# Allegro board 8880F5-0825_4.brd (continued)
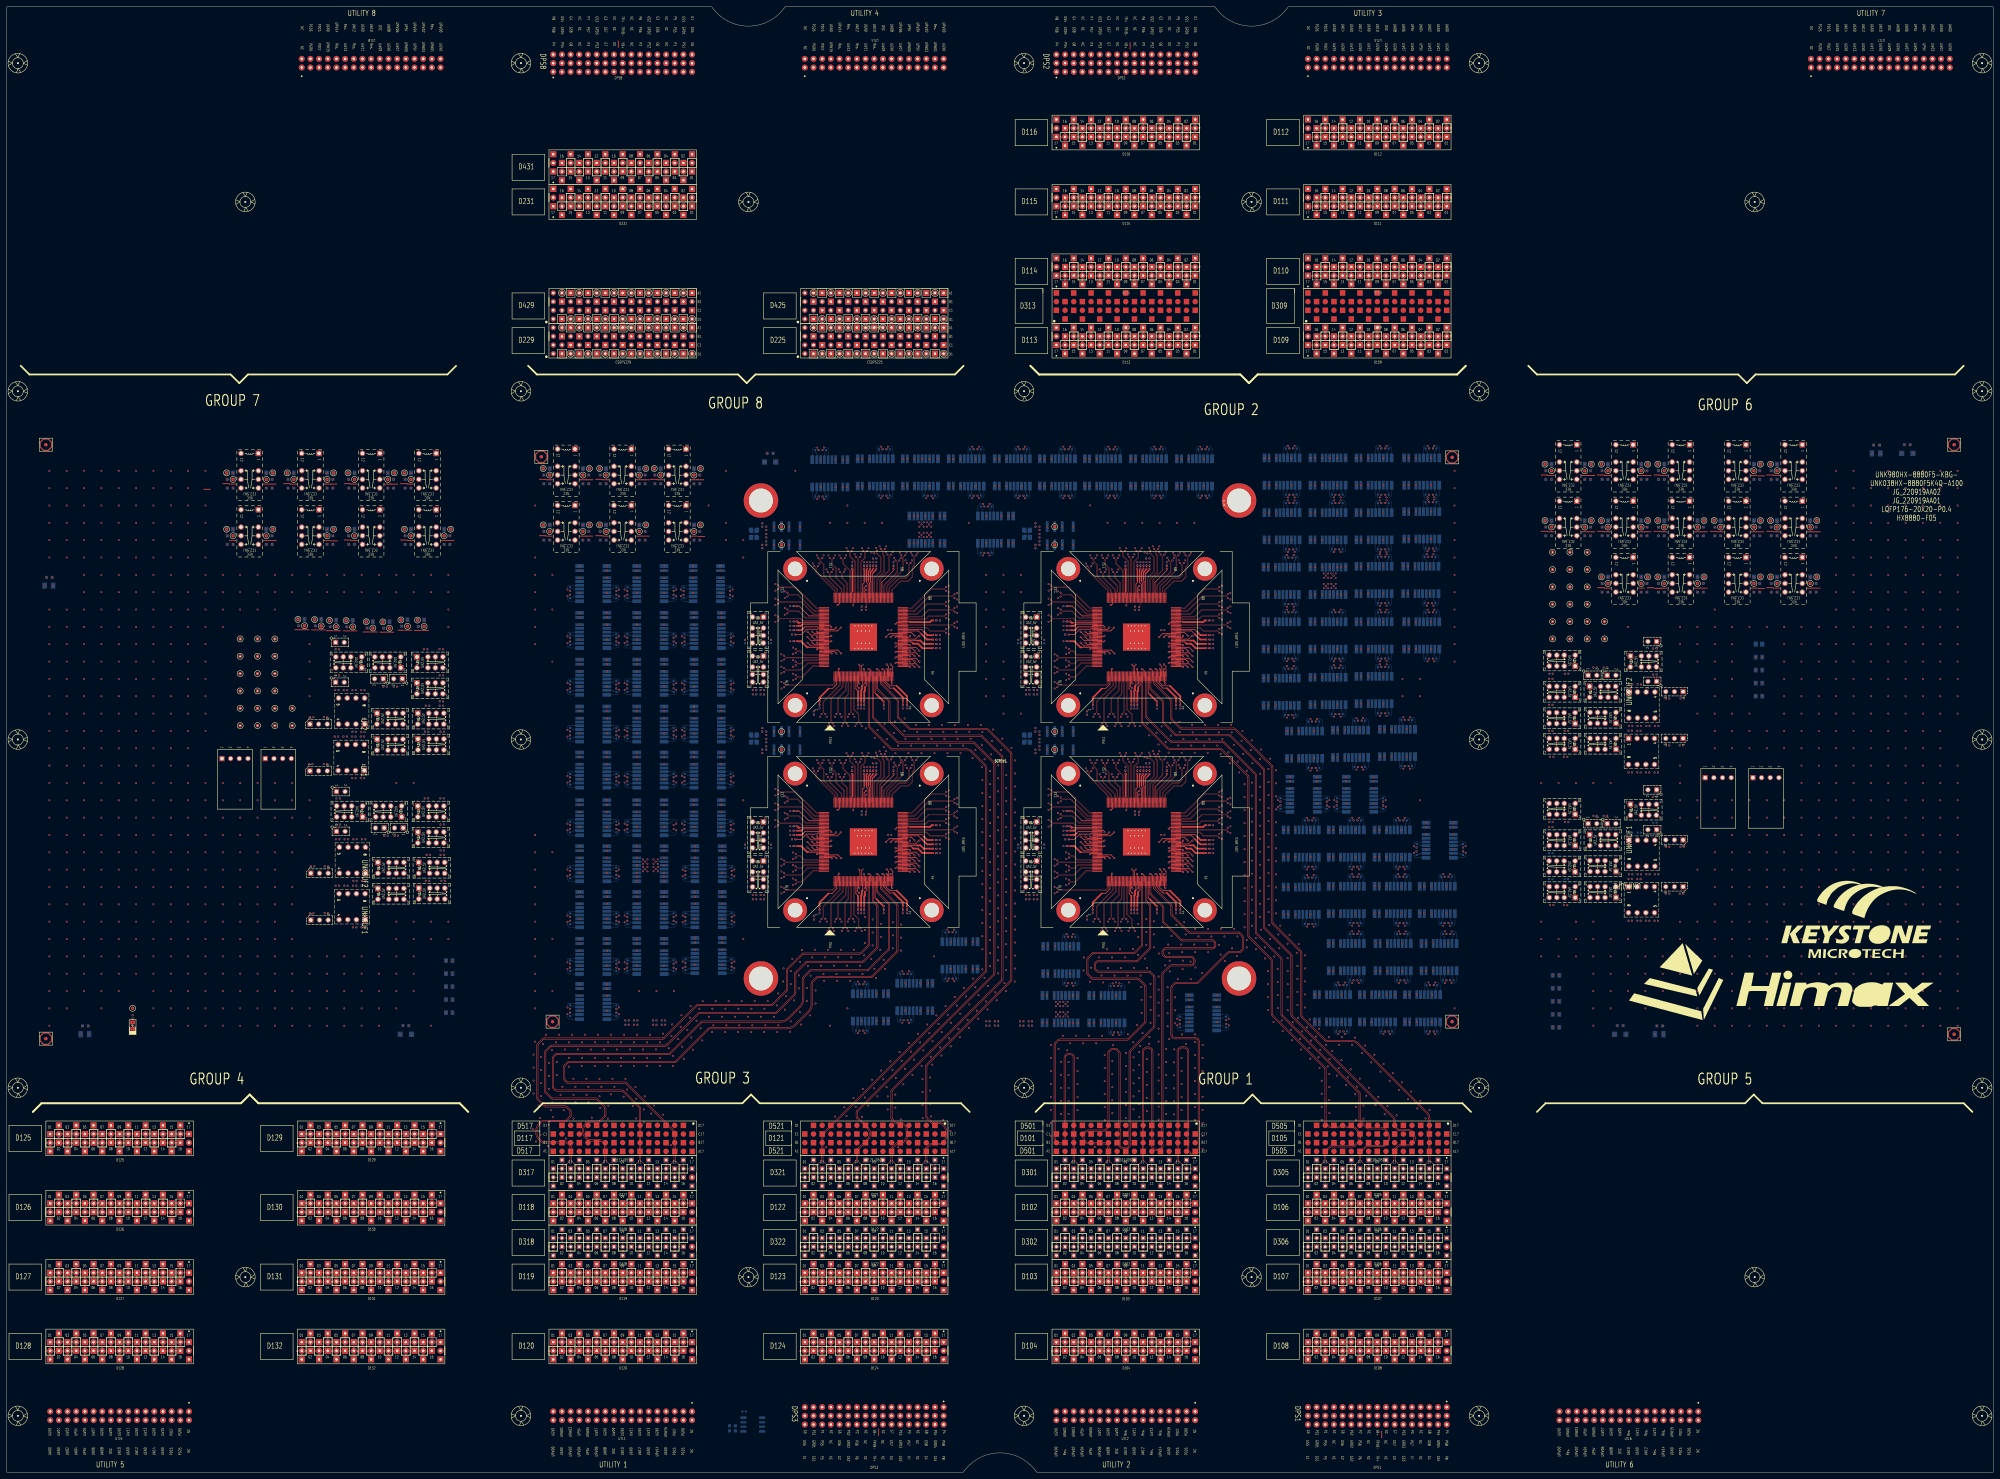
[diagram p0: board, top side]
## Routing (per net, layer and track width the routed paths; a pad name or vN(x,y) marks a point on that pad's centre or on a via; arc(x,y) is an arc through that point) (continued)
  BOTTOM w0.119: v1(164.15,202.03) 164.15,201.1 164.71,200.54 UNK3K11.G6 ; UNK4K25.G3 392.73,191.3 393.12,191.7 v1(393.96,191.7) ; UNK3K22.G8 198.33,150.83 197.94,150.44 v1(197.94,149.6) ; v1(296.17,300.41) 295.33,300.41 294.94,300.02 K3.G3 ; UNK4K30.G5 313.77,157.04 313.21,157.6 v1(312.28,157.6) ; v1(296.17,285.31) 295.33,285.31 294.94,285.71 K3.G8 ; UNK3K7.G5 195.46,200.54 196.02,201.1 v1(196.02,202.03) ; v1(197.94,163.06) 197.94,163.9 198.33,164.3 UNK3K25.G8 ; UNK4K25.G8 392.73,177 393.12,176.6 v1(393.96,176.6) ; v1(376.84,221.05) 377.77,221.05 378.33,221.61 UNK2K22.G6 ; K29.G3 178.86,259.8 179.25,259.4 v1(179.25,258.56) ; K30.G8 181.31,259.8 180.92,259.4 v1(180.92,258.56) ; v1(416.06,284.92) 415.22,284.92 414.82,284.52 UNK2K2.G3 ; UNK4K24.G8 343.11,134.07 342.72,133.67 v1(342.72,132.83) ; UNK2K7.G6 392.04,270.12 391.48,269.56 v1(390.56,269.56) ; v1(374.91,221.05) 374.07,221.05 373.68,221.45 UNK2K22.G8 ; v1(404.02,253.82) 404.95,253.82 405.5,254.37 UNK2K5.G6 ; v1(404.02,285.57) 404.95,285.57 405.5,286.12 UNK2K21.G6 ; v1(256.04,285.31) 255.2,285.31 254.8,285.71 K17.G8 ; v1(284.64,285.31) 285.57,285.31 286.12,285.87 K21.G6 ; v1(376.84,236.15) 377.77,236.15 378.33,235.59 UNK2K22.G5 ; v1(404.02,284.66) 404.95,284.66 405.5,284.11 UNK2K6.G5 ; UNK4K23.G3 403.39,198.08 403.79,197.68 v1(403.79,196.84) ; K1.G8 164.55,218.65 164.15,218.26 v1(164.15,217.42) ; v1(212.78,215.49) 212.78,214.56 212.22,214 UNK3K6.G5 ; v1(409.35,176.6) 410.28,176.6 410.84,177.16 UNK4K26.G6 ; UNK3K8.G8 181.31,191.22 180.92,190.82 v1(180.92,189.98) ; v1(309.38,285.31) 308.54,285.31 308.14,285.71 K4.G8 ; UNK3K2.G3 252.43,128.99 252.04,128.59 v1(251.2,128.59) ; v1(417.99,252.66) 418.92,252.66 419.47,252.1 UNK2K30.G5 ; v1(213.04,161.13) 213.04,160.2 212.48,159.65 UNK3K25.G5 ; v1(251.2,143.69) 252.04,143.69 252.43,143.3 UNK3K2.G8 ; v1(357.82,130.91) 357.82,129.98 357.26,129.42 UNK4K24.G5 ; UNK2K3.G6 405.5,238.12 404.95,237.56 v1(404.02,237.56) ; UNK2K3.G8 400.85,237.96 401.25,237.56 v1(402.09,237.56) ; UNK4K5.G8 392.73,143.72 393.12,143.33 v1(393.96,143.33) ; K25.G8 197.82,259.8 197.43,259.4 v1(197.43,258.56) ; v1(324.52,285.31) 325.44,285.31 326,285.87 K7.G6 ; v1(180.92,203.95) 180.92,204.79 181.31,205.19 UNK3K7.G8 ; UNK2K24.G8 387.39,237.96 387.79,237.56 v1(388.63,237.56) ; v1(298.1,300.41) 299.03,300.41 299.59,299.85 K3.G5 ; v1(179.25,189.98) 179.25,190.82 178.86,191.22 UNK3K17.G3 ; UNK3K2.G5 247.78,129.15 248.34,128.59 v1(249.27,128.59) ; UNK3K5.G5 195.46,214 196.02,214.56 v1(196.02,215.49) ; UNK4K17.G5 419.73,142.88 419.17,143.44 v1(418.24,143.44) ; UNK2K23.G8 387.39,221.7 387.79,221.3 v1(388.63,221.3) ; UNK3K23.G8 164.55,137.37 164.15,136.98 v1(164.15,136.14) ; UNK3K16.G3 212.39,205.19 212.78,204.79 v1(212.78,203.95) ; UNK4K8.G6 406.52,128.9 405.96,128.34 v1(405.03,128.34) ; v1(382.68,176.6) 383.61,176.6 384.17,177.16 UNK4K11.G6 ; UNK3K2.G6 247.78,143.14 248.34,143.69 v1(249.27,143.69) ; K4.G6 312.79,285.87 312.24,285.31 v1(311.31,285.31) ; v1(179.25,163.06) 179.25,163.9 178.86,164.3 UNK3K29.G3 ; UNK3K3.G6 260.74,146.18 261.3,146.74 v1(262.22,146.74) ; v1(325.79,143.19) 326.71,143.19 327.27,142.63 UNK4K3.G5 ; v1(349.51,285.31) 348.67,285.31 348.28,285.71 K5.G8 ; K4.G5 312.79,299.85 312.24,300.41 v1(311.31,300.41) ; K6.G6 339.46,285.87 338.91,285.31 v1(337.98,285.31) ; UNK2K24.G6 392.04,238.12 391.48,237.56 v1(390.56,237.56) ; K3.G6 299.59,285.87 299.03,285.31 v1(298.1,285.31) ; UNK3K23.G5 178.7,132.72 179.25,133.28 v1(179.25,134.21) ; UNK4K2.G8 406.44,143.72 406.84,143.33 v1(407.68,143.33) ; v1(416.06,269.82) 415.22,269.82 414.82,270.21 UNK2K2.G8 ; v1(387.28,194.91) 387.28,193.99 386.72,193.43 UNK4K22.G5 ; v1(269.25,285.31) 268.41,285.31 268.01,285.71 K8.G8 ; v1(336.05,285.31) 335.21,285.31 334.81,285.71 K6.G8 ; UNK2K30.G8 414.82,237.96 415.22,237.56 v1(416.06,237.56) ; v1(180.92,188.06) 180.92,187.13 181.48,186.57 UNK3K8.G6 ; v1(179.25,217.42) 179.25,218.26 178.86,218.65 K1.G3 ; v1(388.69,194.91) 388.69,193.99 389.25,193.43 UNK4K23.G6 ; v1(382.68,191.7) 383.61,191.7 384.17,191.14 UNK4K11.G5 ; UNK4K23.G5 403.23,193.43 403.79,193.99 v1(403.79,194.91) ; v1(324.52,300.41) 325.44,300.41 326,299.85 K7.G5 ; UNK3K4.G5 178.7,173.11 179.25,173.67 v1(179.25,174.59) ; K11.G5 284.36,269.11 284.92,268.55 v1(285.85,268.55) ; v1(196.02,217.42) 196.02,218.26 195.62,218.65 UNK3K5.G3 ; v1(375.17,285.57) 374.33,285.57 373.93,285.96 UNK2K17.G8 ; K6.G3 334.81,300.02 335.21,300.41 v1(336.05,300.41) ; v1(179.25,202.03) 179.25,201.1 178.7,200.54 UNK3K11.G5 ; v1(164.15,161.13) 164.15,160.2 164.71,159.65 UNK3K29.G6 ; UNK2K16.G6 378.33,254.12 377.77,253.56 v1(376.84,253.56) ; UNK2K11.G5 419.22,268.36 418.66,268.92 v1(417.73,268.92) ; v1(179.25,188.06) 179.25,187.13 178.7,186.57 UNK3K17.G5 ; UNK4K29.G8 406.19,160.49 406.58,160.09 v1(407.42,160.09) ; UNK3K16.G6 198.24,200.54 197.68,201.1 v1(197.68,202.03) ; UNK2K21.G5 405.5,300.11 404.95,300.67 v1(404.02,300.67) ; UNK2K7.G5 392.04,284.11 391.48,284.66 v1(390.56,284.66) ; v1(164.15,242.92) 164.15,241.99 164.71,241.43 K27.G6 ; v1(383.7,205.56) 384.63,205.56 385.18,206.11 UNK2K27.G6 ; UNK3K6.G3 212.39,218.65 212.78,218.26 v1(212.78,217.42) ; v1(212.78,188.06) 212.78,187.13 212.22,186.57 UNK3K21.G5 ; K4.G3 308.14,300.02 308.54,300.41 v1(309.38,300.41) ; v1(262.22,131.64) 261.3,131.64 260.74,132.2 UNK3K3.G5 ; v1(388.63,252.66) 387.79,252.66 387.39,252.26 UNK2K24.G3 ; v1(372.18,196.84) 372.18,197.68 372.58,198.08 UNK4K22.G8 ; UNK3K26.G3 195.62,164.3 196.02,163.9 v1(196.02,163.06) ; v1(391.83,143.44) 392.75,143.44 393.31,142.88 UNK4K21.G5 ; UNK2K25.G5 405.5,236.1 404.95,236.66 v1(404.02,236.66) ; UNK4K29.G5 410.84,174.63 410.28,175.19 v1(409.35,175.19) ; UNK3K16.G5 212.22,200.54 212.78,201.1 v1(212.78,202.03) ; K2.G6 198.24,227.72 197.68,228.28 v1(197.68,229.2) ; v1(277.36,143.83) 278.2,143.83 278.6,144.23 UNK3K1.G3 ; UNK3K3.G8 265.39,146.35 264.99,146.74 v1(264.15,146.74) ; v1(180.92,149.34) 180.92,150.18 181.31,150.58 UNK3K24.G8 ; UNK4K3.G3 322.62,142.79 323.02,143.19 v1(323.86,143.19) ; UNK4K21.G3 388.66,143.04 389.06,143.44 v1(389.9,143.44) ; v1(380.75,174.94) 379.91,174.94 379.52,174.54 UNK4K27.G3 ; v1(395.89,176.6) 396.82,176.6 397.38,177.16 UNK4K25.G6 ; v1(197.43,256.64) 197.43,255.71 197.99,255.15 K25.G6 ; UNK4K11.G8 379.52,177 379.91,176.6 v1(380.75,176.6) ; UNK3K4.G3 178.86,177.76 179.25,177.36 v1(179.25,176.52) ; v1(388.69,196.84) 388.69,197.68 389.09,198.08 UNK4K23.G8 ; v1(423.07,143.33) 424,143.33 424.55,143.88 UNK4K6.G6 ; v1(417.73,253.82) 418.66,253.82 419.22,254.37 UNK2K11.G6 ; UNK4K22.G3 386.88,198.08 387.28,197.68 v1(387.28,196.84) ; UNK4K5.G5 397.38,157.87 396.82,158.43 v1(395.89,158.43) ; UNK4K30.G6 313.77,143.06 313.21,142.5 v1(312.28,142.5) ; v1(164.15,231.13) 164.15,231.97 164.55,232.37 K24.G8 ; K16.G3 240.5,285.45 240.1,285.06 v1(239.26,285.06) ; UNK3K22.G5 212.48,146.18 213.04,146.74 v1(213.04,147.67) ; UNK4K2.G5 411.09,157.87 410.53,158.43 v1(409.61,158.43) ; v1(402.09,300.67) 401.25,300.67 400.85,300.27 UNK2K21.G3 ; UNK3K26.G8 181.31,164.3 180.92,163.9 v1(180.92,163.06) ; UNK4K25.G5 397.38,191.14 396.82,191.7 v1(395.89,191.7) ; v1(377.09,285.57) 378.02,285.57 378.58,286.12 UNK2K17.G6 ; UNK2K22.G3 373.68,235.75 374.07,236.15 v1(374.91,236.15) ; v1(372.18,194.91) 372.18,193.99 372.74,193.43 UNK4K22.G6 ; v1(407.42,175.19) 406.58,175.19 406.19,174.79 UNK4K29.G3 ; v1(179.25,161.13) 179.25,160.2 178.7,159.65 UNK3K29.G5 ; v1(403.11,128.34) 402.27,128.34 401.87,128.74 UNK4K8.G8 ; K21.G5 286.12,299.85 285.57,300.41 v1(284.64,300.41) ; UNK4K26.G3 406.19,191.3 406.58,191.7 v1(407.42,191.7) ; v1(164.15,147.42) 164.15,146.49 164.71,145.93 UNK3K30.G6 ; v1(285.85,283.65) 284.92,283.65 284.36,283.09 K11.G6 ; UNK3K5.G6 181.48,214 180.92,214.56 v1(180.92,215.49) ; UNK2K7.G3 387.39,284.27 387.79,284.66 v1(388.63,284.66) ; K11.G8 289.01,283.25 288.61,283.65 v1(287.77,283.65) ; UNK3K4.G8 164.55,177.76 164.15,177.36 v1(164.15,176.52) ; v1(389.9,128.34) 389.06,128.34 388.66,128.74 UNK4K21.G8 ; v1(408.95,221.16) 408.11,221.16 407.71,220.77 UNK4K4.G3 ; v1(375.17,300.67) 374.33,300.67 373.93,300.27 UNK2K17.G3 ; v1(382.68,174.94) 383.61,174.94 384.17,174.38 UNK4K27.G5 ; UNK4K1.G6 424.05,160.65 423.49,160.09 v1(422.56,160.09) ; UNK4K24.G3 357.42,134.07 357.82,133.67 v1(357.82,132.83) ; UNK3K23.G6 164.71,132.72 164.15,133.28 v1(164.15,134.21) ; v1(375.17,284.66) 374.33,284.66 373.93,284.27 UNK2K4.G3 ; v1(180.92,229.2) 180.92,228.28 181.48,227.72 K23.G6 ; v1(275.43,158.93) 274.5,158.93 273.95,158.38 UNK3K1.G6 ; UNK4K17.G8 415.08,128.74 415.47,128.34 v1(416.31,128.34) ; UNK4K6.G5 424.55,157.87 424,158.43 v1(423.07,158.43) ; K25.G3 212.13,259.8 212.53,259.4 v1(212.53,258.56) ; v1(416.06,300.67) 415.22,300.67 414.82,300.27 UNK2K1.G3 ; UNK2K11.G8 414.57,254.21 414.97,253.82 v1(415.81,253.82) ; v1(374.91,237.56) 374.07,237.56 373.68,237.96 UNK2K29.G8 ; UNK3K3.G3 265.39,132.04 264.99,131.64 v1(264.15,131.64) ; v1(377.09,284.66) 378.02,284.66 378.58,284.11 UNK2K4.G5 ; v1(310.36,157.6) 309.52,157.6 309.12,157.2 UNK4K30.G3 ; UNK4K16.G5 397.38,174.63 396.82,175.19 v1(395.89,175.19) ; v1(197.68,188.06) 197.68,187.13 198.24,186.57 UNK3K21.G6 ; v1(277.36,158.93) 278.2,158.93 278.6,158.54 UNK3K1.G8 ; v1(196.02,256.64) 196.02,255.71 195.46,255.15 K30.G5 ; v1(415.81,268.92) 414.97,268.92 414.57,268.52 UNK2K11.G3 ; v1(421.14,158.43) 420.3,158.43 419.9,158.03 UNK4K6.G3 ; v1(417.99,269.82) 418.92,269.82 419.47,270.38 UNK2K2.G6 ; v1(388.63,285.57) 387.79,285.57 387.39,285.96 UNK2K8.G8 ; UNK4K4.G5 412.36,220.61 411.8,221.16 v1(410.88,221.16) ; UNK3K6.G6 198.24,214 197.68,214.56 v1(197.68,215.49) ; UNK2K29.G6 378.33,238.12 377.77,237.56 v1(376.84,237.56) ; v1(393.96,175.19) 393.12,175.19 392.73,174.79 UNK4K16.G3 ; UNK2K6.G3 400.85,284.27 401.25,284.66 v1(402.09,284.66) ; v1(395.23,205.81) 394.39,205.81 394,206.21 UNK2K26.G8 ; UNK3K4.G6 164.71,173.11 164.15,173.67 v1(164.15,174.59) ; v1(197.68,203.95) 197.68,204.79 198.08,205.19 UNK3K16.G8 ; v1(388.63,236.4) 387.79,236.4 387.39,236.01 UNK2K23.G3 ; v1(282.71,300.41) 281.87,300.41 281.47,300.02 K21.G3 ; v1(381.77,220.66) 380.93,220.66 380.53,220.26 UNK2K27.G3 ; UNK3K24.G5 195.46,145.93 196.02,146.49 v1(196.02,147.42) ; UNK2K23.G5 392.04,235.85 391.48,236.4 v1(390.56,236.4) ; UNK4K3.G6 327.27,128.64 326.71,128.09 v1(325.79,128.09) ; v1(380.75,159.84) 379.91,159.84 379.52,160.23 UNK4K27.G8 ; v1(395.89,143.33) 396.82,143.33 397.38,143.88 UNK4K5.G6 ; UNK2K6.G8 400.85,269.96 401.25,269.56 v1(402.09,269.56) ; v1(421.14,143.33) 420.3,143.33 419.9,143.72 UNK4K6.G8 ; UNK3K22.G6 198.49,146.18 197.94,146.74 v1(197.94,147.67) ; K1.G5 178.7,214 179.25,214.56 v1(179.25,215.49) ; v1(212.53,256.64) 212.53,255.71 211.97,255.15 K25.G5 ; v1(397.16,205.81) 398.09,205.81 398.65,206.37 UNK2K26.G6 ; v1(164.15,229.2) 164.15,228.28 164.71,227.72 K24.G6 ; UNK3K27.G8 198.33,177.76 197.94,177.36 v1(197.94,176.52) ; v1(412.06,181.45) 412.06,180.52 412.62,179.97 UNK4K7.G6 ; v1(196.02,188.06) 196.02,187.13 195.46,186.57 UNK3K8.G5 ; v1(417.99,300.67) 418.92,300.67 419.47,300.11 UNK2K1.G5 ; v1(395.23,220.91) 394.39,220.91 394,220.51 UNK2K26.G3 ; v1(237.33,300.16) 236.4,300.16 235.85,299.6 K16.G6 ; UNK2K7.G8 387.39,269.96 387.79,269.56 v1(388.63,269.56) ; v1(397.16,220.91) 398.09,220.91 398.65,220.35 UNK2K26.G5 ; v1(427.16,181.45) 427.16,180.52 426.6,179.97 UNK4K7.G5 ; UNK4K26.G5 410.84,191.14 410.28,191.7 v1(409.35,191.7) ; v1(212.78,242.92) 212.78,241.99 212.22,241.43 K22.G5 ; v1(408.95,206.06) 408.11,206.06 407.71,206.46 UNK4K4.G8 ; v1(179.25,231.13) 179.25,231.97 178.86,232.37 K24.G3 ; v1(197.68,217.42) 197.68,218.26 198.08,218.65 UNK3K6.G8 ; UNK4K5.G3 392.73,158.03 393.12,158.43 v1(393.96,158.43) ; UNK3K7.G3 195.62,205.19 196.02,204.79 v1(196.02,203.95) ; v1(197.94,174.59) 197.94,173.67 198.49,173.11 UNK3K27.G6 ; UNK2K5.G5 405.5,268.36 404.95,268.92 v1(404.02,268.92) ; UNK4K26.G8 406.19,177 406.58,176.6 v1(407.42,176.6) ; v1(402.09,268.92) 401.25,268.92 400.85,268.52 UNK2K5.G3 ; v1(212.78,229.2) 212.78,228.28 212.22,227.72 K2.G5 ; UNK2K21.G8 400.85,285.96 401.25,285.57 v1(402.09,285.57) ; v1(420.63,175.19) 419.79,175.19 419.4,174.79 UNK4K1.G3 ; UNK4K11.G3 379.52,191.3 379.91,191.7 v1(380.75,191.7) ; UNK2K1.G8 414.82,285.96 415.22,285.57 v1(416.06,285.57) ; v1(164.15,215.49) 164.15,214.56 164.71,214 K1.G6 ; v1(390.56,221.3) 391.48,221.3 392.04,221.86 UNK2K23.G6 ; K27.G5 178.7,241.43 179.25,241.99 v1(179.25,242.92) ; UNK3K30.G3 178.86,150.58 179.25,150.18 v1(179.25,149.34) ; v1(196.02,149.34) 196.02,150.18 195.62,150.58 UNK3K24.G3 ; UNK4K3.G8 322.62,128.48 323.02,128.09 v1(323.86,128.09) ; K16.G8 240.5,299.76 240.1,300.16 v1(239.26,300.16) ; K11.G3 289.01,268.94 288.61,268.55 v1(287.77,268.55) ; v1(196.02,242.92) 196.02,241.99 195.46,241.43 K26.G5 ; K24.G5 178.7,227.72 179.25,228.28 v1(179.25,229.2) ; UNK2K17.G5 378.58,300.11 378.02,300.67 v1(377.09,300.67) ; UNK4K2.G3 406.44,158.03 406.84,158.43 v1(407.68,158.43) ; UNK3K11.G8 164.55,205.19 164.15,204.79 v1(164.15,203.95) ; v1(351.44,300.41) 352.37,300.41 352.93,299.85 K5.G5 ; v1(417.99,285.57) 418.92,285.57 419.47,286.12 UNK2K1.G6 ; v1(180.92,147.42) 180.92,146.49 181.48,145.93 UNK3K24.G6 ; v1(349.51,300.41) 348.67,300.41 348.28,300.02 K5.G3 ; UNK4K24.G6 343.27,129.42 342.72,129.98 v1(342.72,130.91) ; UNK3K27.G3 212.64,177.76 213.04,177.36 v1(213.04,176.52) ; UNK3K30.G8 164.55,150.58 164.15,150.18 v1(164.15,149.34) ; UNK3K5.G8 181.31,218.65 180.92,218.26 v1(180.92,217.42) ; v1(257.97,285.31) 258.9,285.31 259.45,285.87 K17.G6 ; UNK4K1.G5 424.05,174.63 423.49,175.19 v1(422.56,175.19) ; K21.G8 281.47,285.71 281.87,285.31 v1(282.71,285.31) ; v1(427.16,183.38) 427.16,184.22 426.76,184.62 UNK4K7.G3 ; v1(412.06,183.38) 412.06,184.22 412.45,184.62 UNK4K7.G8 ; UNK2K4.G8 373.93,269.96 374.33,269.56 v1(375.17,269.56) ; UNK2K4.G6 378.58,270.12 378.02,269.56 v1(377.09,269.56) ; UNK2K25.G6 405.5,222.12 404.95,221.56 v1(404.02,221.56) ; UNK3K1.G5 273.95,144.39 274.5,143.83 v1(275.43,143.83) ; UNK2K25.G3 400.85,236.26 401.25,236.66 v1(402.09,236.66) ; UNK2K5.G8 400.85,254.21 401.25,253.82 v1(402.09,253.82) ; v1(402.09,252.66) 401.25,252.66 400.85,252.26 UNK2K3.G3 ; UNK3K21.G3 212.39,191.22 212.78,190.82 v1(212.78,189.98) ; v1(409.35,160.09) 410.28,160.09 410.84,160.65 UNK4K29.G6 ; UNK3K29.G8 164.55,164.3 164.15,163.9 v1(164.15,163.06) ; K29.G8 164.55,259.8 164.15,259.4 v1(164.15,258.56) ; K8.G6 272.66,285.87 272.1,285.31 v1(271.18,285.31) ; v1(420.63,160.09) 419.79,160.09 419.4,160.49 UNK4K1.G8 ; K22.G3 212.39,246.08 212.78,245.69 v1(212.78,244.85) ; K17.G5 259.45,299.85 258.9,300.41 v1(257.97,300.41) ; UNK2K16.G3 373.68,268.27 374.07,268.66 v1(374.91,268.66) ; K7.G8 321.35,285.71 321.75,285.31 v1(322.59,285.31) ; K2.G3 212.39,232.37 212.78,231.97 v1(212.78,231.13) ; v1(376.84,268.66) 377.77,268.66 378.33,268.1 UNK2K16.G5 ; K22.G8 198.08,246.08 197.68,245.69 v1(197.68,244.85) ; UNK2K29.G3 373.68,252.26 374.07,252.66 v1(374.91,252.66) ; v1(393.96,160.09) 393.12,160.09 392.73,160.49 UNK4K16.G8 ; v1(382.68,159.84) 383.61,159.84 384.17,160.39 UNK4K27.G6 ; UNK2K27.G5 385.18,220.1 384.63,220.66 v1(383.7,220.66) ; v1(417.99,284.92) 418.92,284.92 419.47,284.36 UNK2K2.G5 ; UNK3K23.G3 178.86,137.37 179.25,136.98 v1(179.25,136.14) ; UNK4K21.G6 393.31,128.9 392.75,128.34 v1(391.83,128.34) ; UNK4K16.G6 397.38,160.65 396.82,160.09 v1(395.89,160.09) ; v1(196.02,244.85) 196.02,245.69 195.62,246.08 K26.G3 ; v1(376.84,252.66) 377.77,252.66 378.33,252.1 UNK2K29.G5 ; v1(180.92,231.13) 180.92,231.97 181.31,232.37 K23.G8 ; v1(196.02,231.13) 196.02,231.97 195.62,232.37 K23.G3 ; K30.G6 181.48,255.15 180.92,255.71 v1(180.92,256.64) ; v1(409.61,143.33) 410.53,143.33 411.09,143.88 UNK4K2.G6 ; v1(180.92,202.03) 180.92,201.1 181.48,200.54 UNK3K7.G6 ; v1(164.15,188.06) 164.15,187.13 164.71,186.57 UNK3K17.G6 ; v1(213.04,149.6) 213.04,150.44 212.64,150.83 UNK3K22.G3 ; v1(164.15,244.85) 164.15,245.69 164.55,246.08 K27.G8 ; K30.G3 195.62,259.8 196.02,259.4 v1(196.02,258.56) ; K7.G3 321.35,300.02 321.75,300.41 v1(322.59,300.41) ; UNK3K27.G5 212.48,173.11 213.04,173.67 v1(213.04,174.59) ; v1(180.92,244.85) 180.92,245.69 181.31,246.08 K26.G8 ; UNK3K11.G3 178.86,205.19 179.25,204.79 v1(179.25,203.95) ; v1(374.91,253.56) 374.07,253.56 373.68,253.96 UNK2K16.G8 ; UNK2K6.G6 405.5,270.12 404.95,269.56 v1(404.02,269.56) ; UNK4K17.G6 419.73,128.9 419.17,128.34 v1(418.24,128.34) ; K6.G5 339.46,299.85 338.91,300.41 v1(337.98,300.41) ; v1(416.31,143.44) 415.47,143.44 415.08,143.04 UNK4K17.G3 ; UNK2K30.G6 419.47,238.12 418.92,237.56 v1(417.99,237.56) ; v1(197.68,242.92) 197.68,241.99 198.24,241.43 K22.G6 ; v1(164.15,189.98) 164.15,190.82 164.55,191.22 UNK3K17.G8 ; K29.G6 164.71,255.15 164.15,255.71 v1(164.15,256.64) ; UNK2K8.G6 392.04,286.12 391.48,285.57 v1(390.56,285.57) ; v1(197.68,189.98) 197.68,190.82 198.08,191.22 UNK3K21.G8 ; v1(404.02,252.66) 404.95,252.66 405.5,252.1 UNK2K3.G5 ; v1(196.02,161.13) 196.02,160.2 195.46,159.65 UNK3K26.G5 ; v1(179.25,147.42) 179.25,146.49 178.7,145.93 UNK3K30.G5 ; v1(196.02,189.98) 196.02,190.82 195.62,191.22 UNK3K8.G3 ; K17.G3 254.8,300.02 255.2,300.41 v1(256.04,300.41) ; v1(416.06,252.66) 415.22,252.66 414.82,252.26 UNK2K30.G3 ; UNK3K25.G6 198.49,159.65 197.94,160.2 v1(197.94,161.13) ; v1(196.02,229.2) 196.02,228.28 195.46,227.72 K23.G5 ; UNK4K4.G6 412.36,206.62 411.8,206.06 v1(410.88,206.06) ; v1(351.44,285.31) 352.37,285.31 352.93,285.87 K5.G6 ; v1(237.33,285.06) 236.4,285.06 235.85,285.62 K16.G5 ; v1(179.25,256.64) 179.25,255.71 178.7,255.15 K29.G5 ; UNK3K26.G6 181.48,159.65 180.92,160.2 v1(180.92,161.13) ; v1(179.25,244.85) 179.25,245.69 178.86,246.08 K27.G3 ; K26.G6 181.48,241.43 180.92,241.99 v1(180.92,242.92) ; UNK2K24.G5 392.04,252.1 391.48,252.66 v1(390.56,252.66) ; v1(402.09,221.56) 401.25,221.56 400.85,221.95 UNK2K25.G8 ; v1(381.77,205.56) 380.93,205.56 380.53,205.95 UNK2K27.G8 ; K2.G8 198.08,232.37 197.68,231.97 v1(197.68,231.13) ; v1(213.04,163.06) 213.04,163.9 212.64,164.3 UNK3K25.G3 ; UNK4K30.G8 309.12,142.9 309.52,142.5 v1(310.36,142.5)
  BOTTOM w0.381: v1(251.94,205.56) UNK3CC34.2 ; CD15.2 v1(272.24,245.18) CC25.2 ; UNK2CD15.2 v1(352.24,245.18) UNK2CC25.2 ; v1(352.24,183.91) UNK4CC33.2 ; v1(272.24,181.37) UNK3CC35.2 ; UNK2CD12.2 v1(310.42,253.69) UNK2CC17.2 ; UNK3CC28.2 v1(259.65,205.56) UNK3CD11.2 ; v1(333.72,205.56) UNK4CC26.2 ; v1(237.98,224.73) CC1.2 ; v1(251.05,205.56) UNK3CC22.2 ; v1(272.24,241.37) CC35.2 ; UNK4CD11.2 v1(339.65,205.56) UNK4CC28.2 ; UNK3CC8.2 v1(263.63,164.73) ; v1(254.61,265.56) CC9.2 ; UNK3CD12.2 v1(230.42,193.69) UNK3CC17.2 ; v1(310.42,186.66) UNK4CC7.2 ; v1(272.24,183.91) UNK3CC33.2 ; UNK2CC28.2 v1(339.65,265.56) UNK2CD11.2 ; UNK2CD10.2 v1(352.24,249.5) UNK2CC27.2 ; UNK4CD15.2 v1(352.24,185.18) UNK4CC25.2 ; v1(252.83,205.56) UNK3CC19.2 ; v1(352.24,181.37) UNK4CC35.2 ; UNK2CD25.2 v1(310.42,249.2) UNK2CC41.2 ; v1(331.06,164.73) UNK4CC11.2 ; UNK3CD24.2 v1(247.57,205.56) UNK3CC38.2 ; v1(334.61,265.56) UNK2CC9.2 ; v1(252.83,265.56) CC19.2 ; CC8.2 v1(263.63,224.73) ; v1(352.24,182.64) UNK4CC36.2 ; CC32.2 v1(262.36,224.73) ; CD10.2 v1(272.24,249.5) CC27.2 ; v1(317.98,224.73) UNK2CC1.2 ; v1(310.42,246.66) UNK2CC7.2 ; v1(333.72,265.56) UNK2CC26.2 ; UNK4CD12.2 v1(310.42,193.69) UNK4CC17.2 ; UNK3CD10.2 v1(272.24,189.5) UNK3CC27.2 ; CD25.2 v1(230.42,249.2) CC41.2 ; v1(334.61,205.56) UNK4CC9.2 ; CC28.2 v1(259.65,265.56) CD11.2 ; UNK4CC8.2 v1(343.63,164.73) ; UNK3CC41.2 v1(230.42,189.2) UNK3CD25.2 ; v1(330.17,224.73) UNK2CC6.2 ; v1(272.24,242.64) CC36.2 ; v1(272.24,243.91) CC33.2 ; v1(336.77,164.73) UNK4CC13.2 ; CD24.2 v1(247.57,265.56) CC38.2 ; UNK3CC32.2 v1(262.36,164.73) ; UNK4CD10.2 v1(352.24,189.5) UNK4CC27.2 ; CC30.2 v1(230.42,243.41) CD19.2 ; v1(330.17,164.73) UNK4CC6.2 ; CC17.2 v1(230.42,253.69) CD12.2 ; v1(352.24,241.37) UNK2CC35.2 ; v1(272.24,182.64) UNK3CC36.2 ; UNK4CC38.2 v1(327.57,205.56) UNK4CD24.2 ; UNK2CC38.2 v1(327.57,265.56) UNK2CD24.2 ; v1(251.05,265.56) CC22.2 ; UNK4CC30.2 v1(310.42,183.41) UNK4CD19.2 ; v1(230.42,186.66) UNK3CC7.2 ; v1(331.06,224.73) UNK2CC11.2 ; v1(331.05,205.56) UNK4CC22.2 ; UNK3CD19.2 v1(230.42,183.41) UNK3CC30.2 ; v1(230.42,187.93) UNK3CC4.2 ; UNK4CC41.2 v1(310.42,189.2) UNK4CD25.2 ; v1(253.72,265.56) CC26.2 ; UNK2CC30.2 v1(310.42,243.41) UNK2CD19.2 ; UNK2CC32.2 v1(342.36,224.73) ; v1(230.42,246.66) CC7.2 ; UNK4CC32.2 v1(342.36,164.73) ; v1(332.83,265.56) UNK2CC19.2 ; v1(352.24,242.64) UNK2CC36.2 ; UNK2CC8.2 v1(343.63,224.73) ; v1(249.28,164.73) UNK3CC31.2 ; v1(329.28,224.73) UNK2CC31.2 ; v1(256.77,224.73) CC13.2 ; v1(253.72,205.56) UNK3CC26.2 ; v1(336.77,224.73) UNK2CC13.2 ; v1(250.17,224.73) CC6.2 ; v1(237.98,164.73) UNK3CC1.2 ; v1(310.42,247.93) UNK2CC4.2 ; v1(331.94,265.56) UNK2CC34.2 ; v1(254.61,205.56) UNK3CC9.2 ; UNK3CC25.2 v1(272.24,185.18) UNK3CD15.2 ; v1(256.77,164.73) UNK3CC13.2 ; v1(251.94,265.56) CC34.2 ; v1(332.83,205.56) UNK4CC19.2 ; v1(331.05,265.56) UNK2CC22.2 ; v1(249.28,224.73) CC31.2 ; v1(352.24,243.91) UNK2CC33.2 ; v1(230.42,247.93) CC4.2 ; v1(329.28,164.73) UNK4CC31.2 ; v1(331.94,205.56) UNK4CC34.2 ; v1(250.17,164.73) UNK3CC6.2 ; v1(317.98,164.73) UNK4CC1.2 ; v1(251.06,164.73) UNK3CC11.2 ; v1(251.06,224.73) CC11.2 ; v1(310.42,187.93) UNK4CC4.2